# Altium PCB PCB1.PcbDoc (part 1 of 2)
Units mil, origin at the board's own origin, x right, y up, seen from the top; angles counter-clockwise.
Board outline 3140 x 3140 mil, 2 copper layers (Top Layer, Bottom Layer); 52 components, 59 nets, 367 pads, 222 vias.
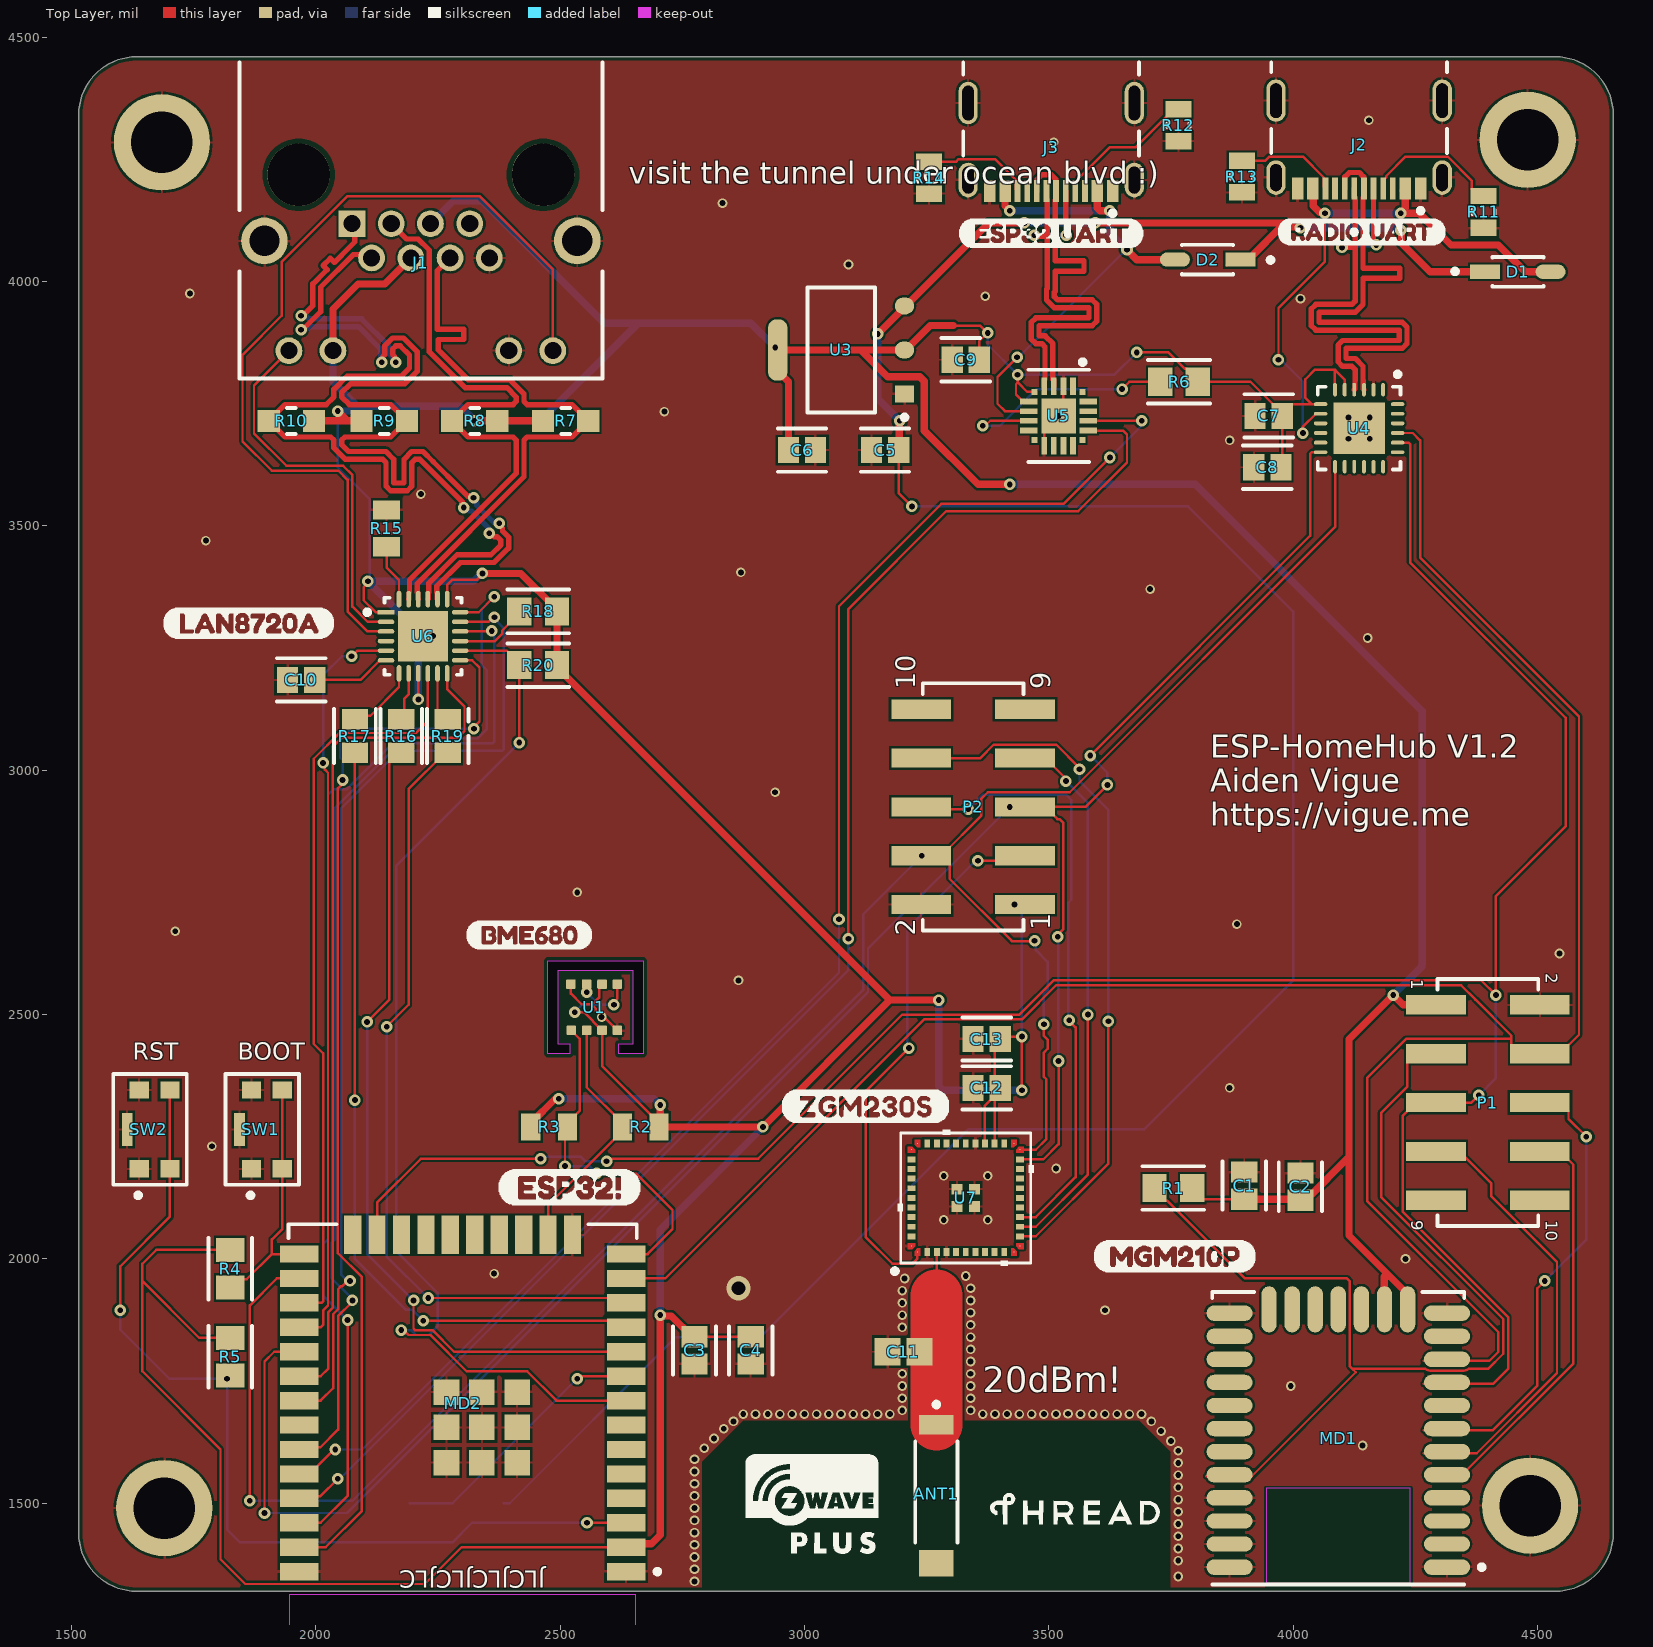
[diagram p0: Top Layer view]
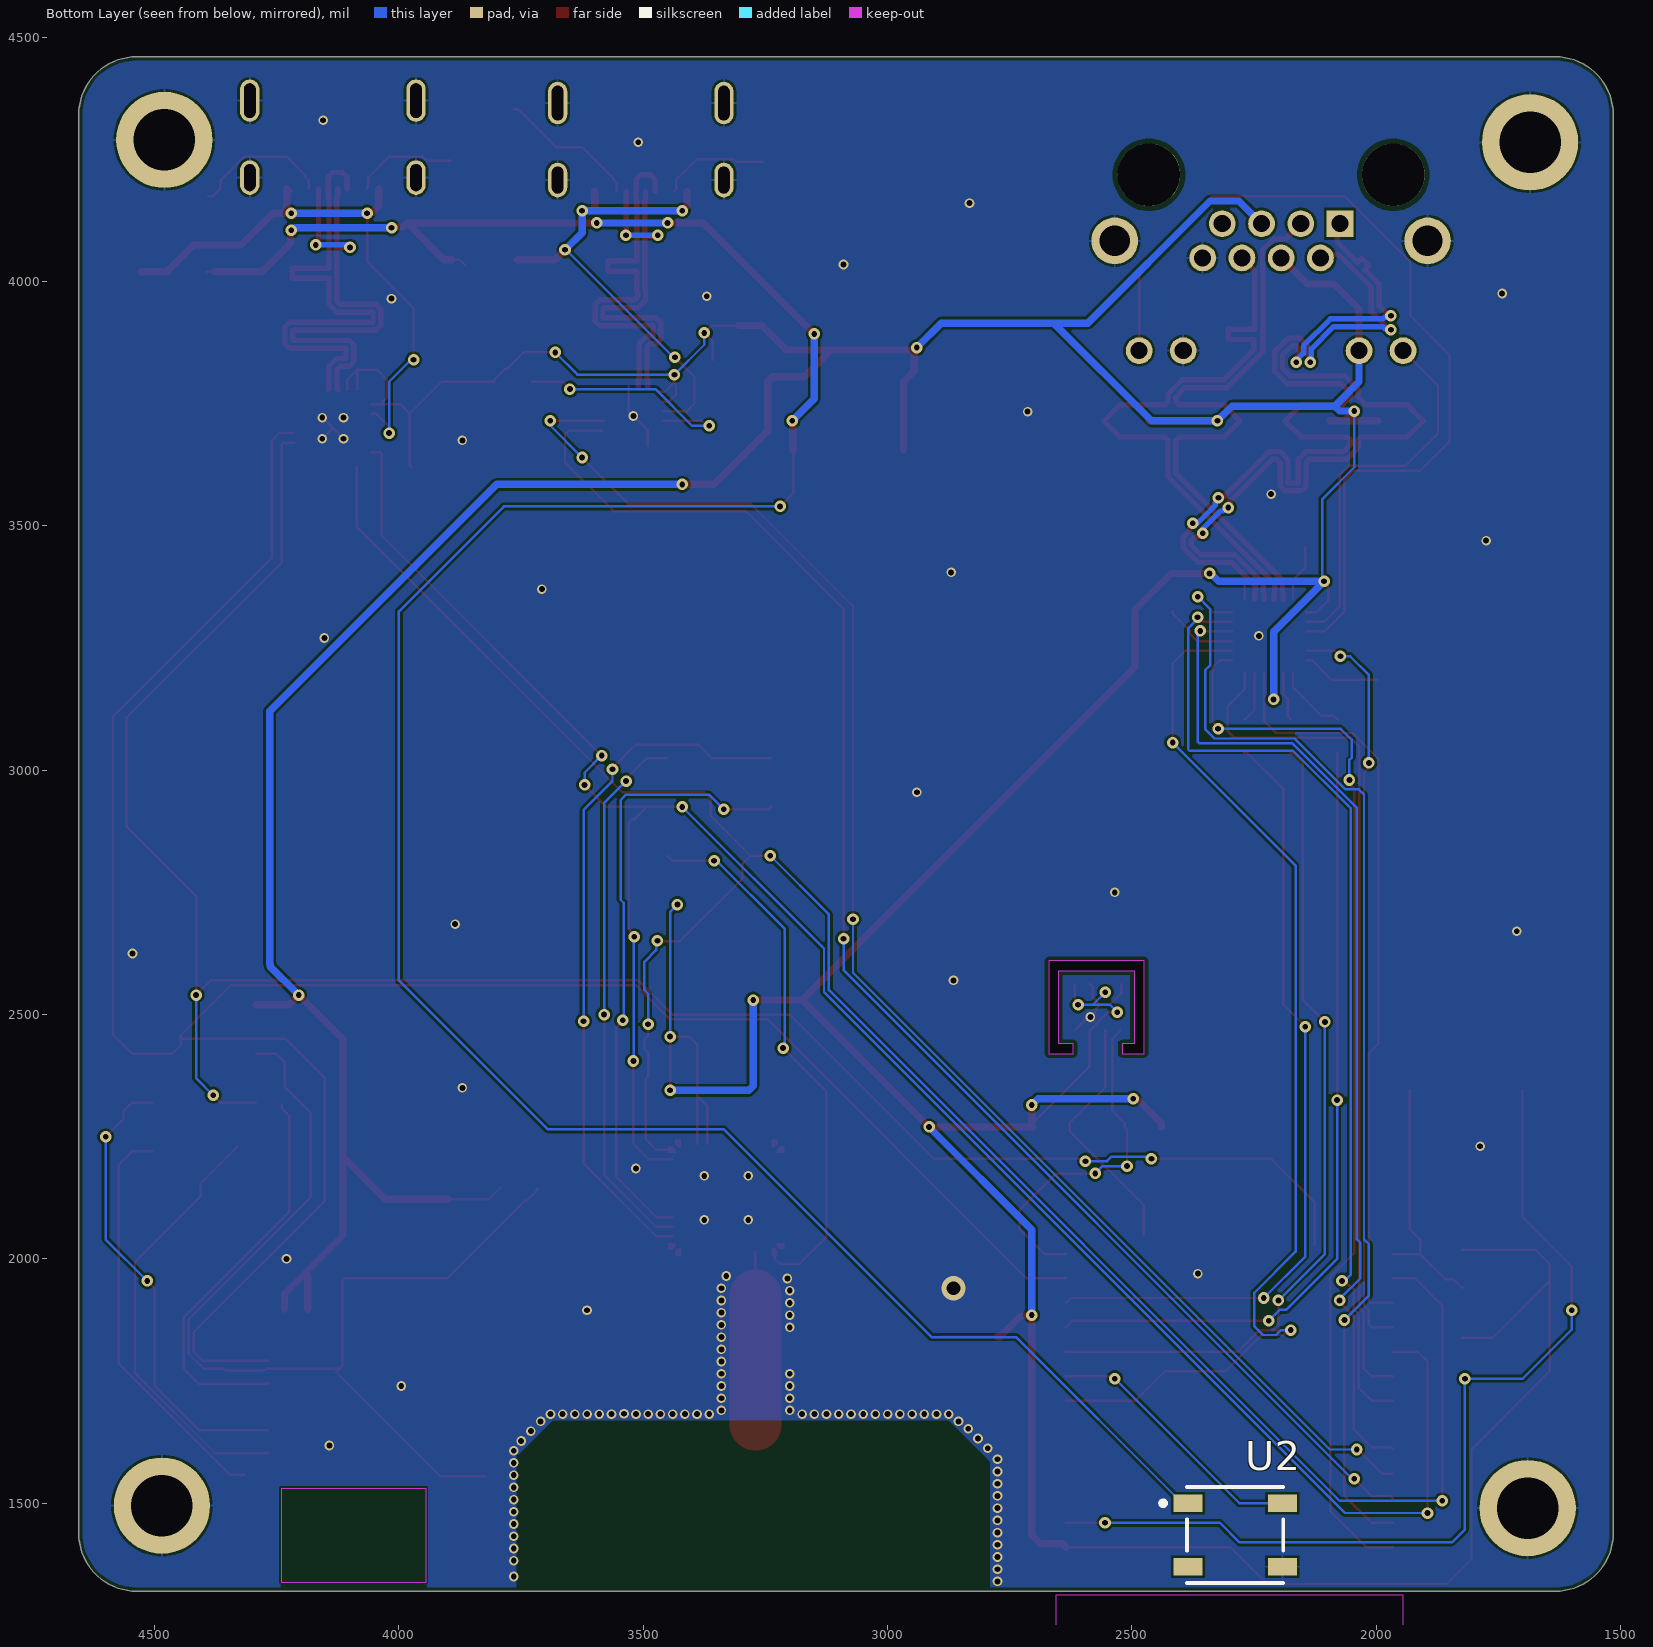
[diagram p1: Bottom Layer view, seen from below]
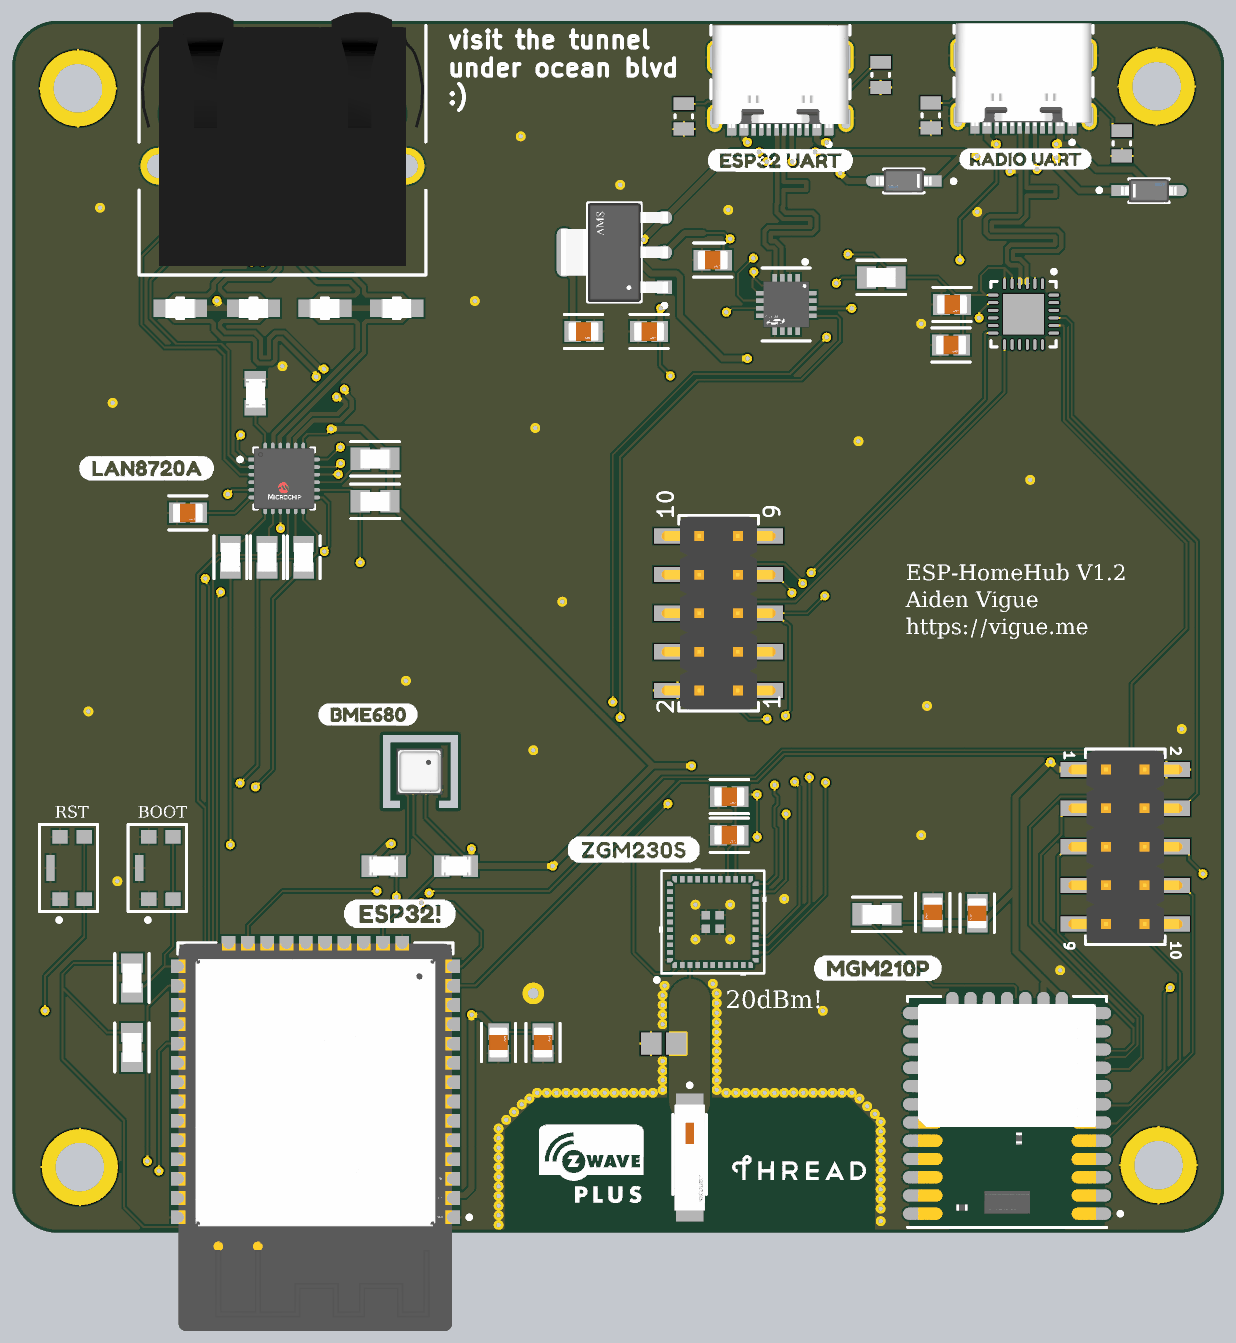
[diagram p3: 3D render of the assembled board from above, using the file's embedded part models]

## Layer stack, top to bottom
Top Solder: solder mask 0.4, Solder Resist, Dk 3.5
Top Layer: signal copper 1.4
Dielectric 1: dielectric 12.6, FR-4, Dk 4.8
Bottom Layer: signal copper 1.4
Bottom Solder: solder mask 0.4, Solder Resist, Dk 3.5

## Board outline
1515,1438.11 1515,4341.89 cw(c1633.11,4341.89) 1633.11,4460 4536.89,4460 cw(c4536.89,4341.89) 4655,4341.89 4655,1438.11 cw(c4536.89,1438.11) 4536.89,1320 1633.11,1320 cw(c1633.11,1438.11)
cut-out: 2520,2420 2475,2420 2475,2610 2670,2610 2670,2420 2620,2420 2620,2440 2650,2440 2650,2590 2495,2590 2495,2440 2520,2440

## Design rules (kind name [scope] priority, off if disabled: settings)
BoardOutlineClearance [All] p1: gap=7.87 ignorepadtopadclearanceinfootprint=FALSE
Clearance [All] p1: gap=5 ignorepadtopadclearanceinfootprint=FALSE except(9.84: Arc-Hole Track-Hole SMDPad-Hole THPad-Hole Via-Hole Fill-Hole Poly-Hole Region-Hole Text-Hole)
ComponentClearance [All] p1: gap=5 collisioncheckmode=3 verticalgap=5 showdistances=TRUE
DiffPairsRouting DiffPairsRouting_1 [All] p1: maxlimit=5 minlimit=5 mostfreqgap=5 toplayer_minwidth=10.97 toplayer_maxwidth=10.97 toplayer_prefwidth=10.97 bottomlayer_minwidth=10.97 bottomlayer_maxwidth=10.97 bottomlayer_prefwidth=10.97 impedanceprofiledriven=TRUE impedanceprofileid={640FD72F-D9A2-4354-A4A4-28BF40C9A0D2} impedanceprofilevalue=90.000000 maxuncoupledlength=500
Height [All] p1: minheight=0 maxheight=71497.94 prefheight=500
HoleSize [All] p1: absolutevalues=TRUE maxlimit=248.03 minlimit=11.81 maxpercent=80.000 minpercent=20.000
HoleToHoleClearance [All] p1: gap=9.84 allowstackedmicrovias=FALSE
MatchedLengths MatchedLengths_ERX [InDifferentialPair('ERX')] p1: tolerance=5 checknetsindiffpair=TRUE checkdiffpairvsdiffpair=FALSE checkxsignals=FALSE checkothers=FALSE
MatchedLengths MatchedLengths_USB1 [InDifferentialPair('USB_D')] p2: tolerance=5 checknetsindiffpair=TRUE checkdiffpairvsdiffpair=FALSE checkxsignals=FALSE checkothers=FALSE
MatchedLengths MatchedLengths_USB2 [InDifferentialPair('USBB_D')] p3: tolerance=5 checknetsindiffpair=TRUE checkdiffpairvsdiffpair=FALSE checkxsignals=FALSE checkothers=FALSE
MatchedLengths MatchedLengths_ETX [InDifferentialPair('ETX')] p4: tolerance=5 checknetsindiffpair=TRUE checkdiffpairvsdiffpair=FALSE checkxsignals=FALSE checkothers=FALSE
MinimumAnnularRing [All] p1: minimumring=3
MinimumSolderMaskSliver [All] p1: minsoldermaskwidth=0
PlaneClearance [All] p1: clearance=5
PlaneConnect PlaneConnectPowerPads [InPadClass('PowerPads')] p1: planeconnectstyle=Direct reliefexpansion=20 reliefentries=4 reliefconductorwidth=10 reliefairgap=10
PlaneConnect [All] p2: pad.planeconnectstyle=Relief pad.reliefexpansion=11.81 pad.reliefentries=4 pad.reliefconductorwidth=5 pad.reliefairgap=5 via.planeconnectstyle=Direct via.reliefexpansion=11.81 via.reliefentries=4 via.reliefconductorwidth=5 via.reliefairgap=5
PolygonConnect PolygonConnectPowerPads [All vs (InPadClass('PowerPads'))] p1: connectstyle=Direct reliefconductorwidth=10 reliefentries=4 polygonreliefangle="90 Angle" airgapwidth=10
PolygonConnect [All] p2: thpad.connectstyle=Relief thpad.reliefconductorwidth=5 thpad.reliefentries=4 thpad.polygonreliefangle="90 Angle" thpad.airgapwidth=5 smdpad.connectstyle=Relief smdpad.reliefconductorwidth=5 smdpad.reliefentries=4 smdpad.polygonreliefangle="90 Angle" smdpad.airgapwidth=5 via.connectstyle=Direct via.reliefconductorwidth=5 via.reliefentries=4 via.polygonreliefangle="90 Angle" via.airgapwidth=5
RoutingVias [All] p1: holewidth=11.81 width=23.62 viastyle="Through Hole" minholewidth=11.81 minwidth=23.62 maxholewidth=23.62 maxwidth=259.84
SilkToSilkClearance [All] p1: silktosilkclearance=0
SilkToSolderMaskClearance [IsPad] p1: minsilkscreentomaskgap=5 clearancetoexposedcopper=TRUE
SolderMaskExpansion [All] p1: expansion=2.95 istentingtop=FALSE
Width [All] p1: maxlimit=1000 minlimit=5 preferedwidth=5 minimp=50.000000 maximp=50.000000 favimp=50.000000
20 further rules are at their usual default settings.

## Classes and differential pairs
component class "ZW Radio": ANT1 C11 C12 C13 P2 U7
component class PHY: C10 R15 R16 R17 R18 R19 R20 U6
component class Connectors: D1 D2 J2 R7 R8 R9 R10 R11 R12 R13 R14
component class SerialConverter: C7 C8 C9 R6 U4 U5
component class ESP32: C3 C4 C5 C6 MD2 R2 R3 R4 R5 SW1 SW2 U1 U2 U3
component class "ZBT Radio": C1 C2 MD1 P1 R1
differential pair USBB_D: +USBB_D_P -USBB_D_N
differential pair USB_D: +USB_D_P -USB_D_N
differential pair ETX: +ETX_P -ETX_N
differential pair ERX: +ERX_P -ERX_N

## Components (designator, comment, footprint, x,y, rotation, side; value= is the part's Value field where it differs from the comment)
ANT1 "0900AT43A0070E" FP-0900AT43A0070E-MFG 3270,1515 r270 top
C1 "08055C104KAT2A" FP-0805-L_2_01_0_2-W_1_25-IPC_C 3900,2150 r270 top
C2 "08055C104KAT2A" FP-0805-L_2_01_0_2-W_1_25-IPC_C 4015,2147.79 r270 top
C3 "08055C104KAT2A" FP-0805-L_2_01_0_2-W_1_25-IPC_C 2775,1812.79 r90 top
C4 "08055C104KAT2A" FP-0805-L_2_01_0_2-W_1_25-IPC_C 2890,1812.79 r90 top
C5 "08055C104KAT2A" FP-0805-L_2_01_0_2-W_1_25-IPC_C 3165,3655 r0 top
C6 "08055C104KAT2A" FP-0805-L_2_01_0_2-W_1_25-IPC_C 2995,3655 r0 top
C7 "08055C104KAT2A" FP-0805-L_2_01_0_2-W_1_25-IPC_C 3950,3725 r0 top
C8 "08055C104KAT2A" FP-0805-L_2_01_0_2-W_1_25-IPC_C 3947.21,3620 r0 top
C9 "08055C104KAT2A" FP-0805-L_2_01_0_2-W_1_25-IPC_C 3330,3840 r0 top
C10 "08055C104KAT2A" FP-0805-L_2_01_0_2-W_1_25-IPC_C 1970,3185 r0 top
C11 "08055A2R2CAT2A" CAPC2013X94X50NL20T25 3202.48,1810 r0 top
C12 "08055C104KAT2A" FP-0805-L_2_01_0_2-W_1_25-IPC_C 3372.79,2350 r0 top
C13 "08055C104KAT2A" FP-0805-L_2_01_0_2-W_1_25-IPC_C 3372.79,2450 r0 top
D1 "1N5819HW-7-F" FP-SOD123-IPC_A 4460,4020 r0 top
D2 "1N5819HW-7-F" FP-SOD123-IPC_A 3825,4045 r180 top
J1 "2-406549-1" FP-2-406549-1-MFG 2215,4135 r180 top
J2 "217179-0001" FP-217179-0001-MFG 4135,4325 r180 top
J3 "217179-0001" FP-217179-0001-MFG 3505,4320 r180 top
MD1 "MGM210P022JIA2" FP-MGM210P022JIA2-MFG 4092.44,1633.07 r180 top
MD2 "ESP32-WROOM-32" FP-ESP32-WROOM-32-MFG 2300.35,1567.09 r180 top
P1 "61031021121" 61031021121 4398.7,2320 r270 top
P2 "61031021121" 61031021121 3345,2925 r90 top
R1 "CR0805-FX-1002ELF" FP-CR0805-IPC_A 3755,2145 r180 top
R2 "CRCW08054K70FKEA" FP-CRCW0805-e3-IPC_B 2665,2270 r0 top
R3 "CRCW08054K70FKEA" FP-CRCW0805-e3-IPC_B 2477.56,2270 r180 top
R4 "CR0805-FX-1002ELF" FP-CR0805-IPC_A 1825,1980 r90 top
R5 "CR0805-FX-1002ELF" FP-CR0805-IPC_A 1825,1800 r270 top
R6 "CR0805-FX-1002ELF" FP-CR0805-IPC_A 3766.54,3795 r0 top
R7 "CR0805-FX-49R9ELF" FP-CR0805-MFG 2511.26,3715 r180 top
R8 "CR0805-FX-49R9ELF" FP-CR0805-MFG 2325,3715 r0 top
R9 "CR0805-FX-49R9ELF" FP-CR0805-MFG 2140,3715 r180 top
R10 "CR0805-FX-49R9ELF" FP-CR0805-MFG 1950,3715 r0 top
R11 "CRCW08055K10JNEA" RESC2013X50X30LL20T20 4390,4142.52 r270 top
R12 "CRCW08055K10JNEA" RESC2013X50X30LL20T20 3765,4320 r270 top
R13 "CRCW08055K10JNEA" RESC2013X50X30LL20T20 3895,4215 r270 top
R14 "CRCW08055K10JNEA" RESC2013X50X30LL20T20 3255,4212.48 r270 top
R15 "CRCW080512K1FKEA" FP-CRCW0805-e3-IPC_B 2145,3495 r90 top
R16 "CR0805-FX-10R0ELF" FP-CR0805-IPC_B 2175,3070 r90 top
R17 "CR0805-FX-10R0ELF" FP-CR0805-IPC_B 2080,3070 r90 top
R18 "CR0805-FX-1002ELF" FP-CR0805-IPC_A 2455,3325 r0 top
R19 "CR0805-FX-10R0ELF" FP-CR0805-IPC_B 2270,3070 r90 top
R20 "CR0805-FX-1002ELF" FP-CR0805-IPC_A 2455,3215 r180 top
SW1 "KMR211GLFS" FP-KMR211GLFS-MFG 1900,2265 r90 top
SW2 "KMR211GLFS" FP-KMR211GLFS-MFG 1670,2265 r90 top
U1 "BME680" PSON80P300X300X100-8N 2570,2515 r270 top
U2 "1655" ADA-RGB-1655_V 2288.54,1435.04 r180 bottom
U3 "AMS1117-3.3" FP-AMS1117-IPC_C 3075,3860 r180 top
U4 "CP2105-F01-GM" SLAB-QFN-24-2675x2675TP_N 4135,3700 r270 top
U5 "CP2102N-A02-GQFN20R" FP-CP2102N-A02-GQFN20R-MFG 3520,3725 r270 top
U6 "LAN8720A-CP-ABC" FP-24-S4QFN-4x4B-0_5P-IPC_B 2219.53,3274.19 r0 top
U7 "ZGM230SB27HGN2R" QFN44_ZGM230S_SIL 3330,2125 r90 top

## Footprints (in the part's own frame and the unit in brackets; to place one, negate y for a bottom-side part, rotate by r counter-clockwise, add the part's x,y. Pads: shape width x height; smd on the part's side, far side on the other; paste and mask are expansions set on the pad)
61031021121 [mm] "Pin Header, pitch 2.54 mm, SMD, Vertical, dual row, 10p"
  rect 1x3.1 smd: 1(-5.08,-2.7) 2(-5.08,2.7) 3(-2.54,-2.7) 4(-2.54,2.7) 5(0,-2.7) 6(0,2.7) 7(2.54,-2.7) 8(2.54,2.7) 9(5.08,-2.7) 10(5.08,2.7)
  silkscreen extent -6.42,-2.62 6.42,2.62, body extent -6.35,-3.75 6.35,3.75, height 9.62
ADA-RGB-1655_V [mm] "SMD, 4-Leads, Body 5x5mm"
  rect 1.5x0.9 smd: 1(-2.45,1.65) 2(-2.45,-1.65) 3(2.45,-1.65) 4(2.45,1.65)
  silkscreen extent -3.88,-2.5 2.5,2.5, body extent -2.7,-2.5 2.7,2.5, height 1.68
CAPC2013X94X50NL20T25 [mm] "Chip Capacitor, 2-Leads, Body 2.01x1.25mm, IPC Medium Density"
  rect 1.35x1.45 smd: 1(-0.825,0) 2(0.825,0)
  body extent -1.1,-0.72 1.11,0.72, height 0.94
FP-2-406549-1-MFG [mm]
  rect 1.39x1.39 hole 0.89 paste-1000 mask+0: 1(3.58,0.42)
  round 1.39 hole 0.89 paste-1000 mask+0: 2(2.56,2.2) 3(1.54,0.42) 4(0.52,2.2) 5(-0.5,0.42) 6(-1.52,2.2) 7(-2.54,0.42) 8(-3.56,2.2) 9(-6.86,7.02) 10(-4.57,7.02) 11(4.57,7.02) 12(6.86,7.02)
  round 2.42 hole 1.57 paste-1000 mask+0: 13(-8.13,1.31) 14(8.13,1.31)
  round 3.25 hole 3.25 unplated paste-1000 mask+0: ""(-6.35,-2.12) ""(6.35,-2.12)
  silkscreen extent -9.43,-7.95 9.43,8.48, body extent -9.53,-8.57 9.53,8.57, height 0.25
FP-24-S4QFN-4x4B-0_5P-IPC_B [mm]
  rect 0.861x0.239 smd paste+0 mask+0: 1(-1.926,1.25)
  rrect100% 0.861x0.239 smd paste+0 mask+0: 2(-1.926,0.75) 3(-1.926,0.25) 4(-1.926,-0.25) 5(-1.926,-0.75) 6(-1.926,-1.25) 13(1.926,-1.25) 14(1.926,-0.75) 15(1.926,-0.25) 16(1.926,0.25) 17(1.926,0.75) 18(1.926,1.25)
  rrect100% 0.239x0.861 smd paste+0 mask+0: 7(-1.25,-1.926) 8(-0.75,-1.926) 9(-0.25,-1.926) 10(0.25,-1.926) 11(0.75,-1.926) 12(1.25,-1.926) 19(1.25,1.926) 20(0.75,1.926) 21(0.25,1.926) 22(-0.25,1.926) 23(-0.75,1.926) 24(-1.25,1.926)
  rect 2.6x2.6 smd paste-1000 mask+0: 25(0,0)
  silkscreen extent -3.03,-2 2,2, body extent -2.61,-2.61 2.61,2.61, height 0.25
FP-0805-L_2_01_0_2-W_1_25-IPC_C [mil]
  rect 43.49x53.39 smd paste+0 mask+0: 1(-27.79,0) 2(27.79,0)
  silkscreen extent -50,-44 50,44, body extent -53,-32 53,32, height 10
FP-0900AT43A0070E-MFG [mm]
  rect 1x1.8 smd paste+0 mask+0: 1(-3.7,0)
  rect 1.4x1.8 smd paste+0 mask+0: 2(3.5,0)
  silkscreen extent -4.87,-1.1 2.42,1.1, body extent -4.3,-1.2 4.3,1.2, height 0.25
FP-217179-0001-MFG [mm]
  rrect100% 1x1.8 hole 1.4 slot 0.6 at 0 deg paste-1000 mask+0: 1(-4.32,2.85) 2(4.32,2.85)
  rrect100% 1x2.2 hole 1.8 slot 0.6 at 0 deg paste-1000 mask+0: 3(-4.32,-1.15) 4(4.32,-1.15)
  rect 0.6x1.15 smd paste+0 mask+0: A1-B12(-3.2,3.425) A4-B9(-2.4,3.425) B1-A12(3.2,3.425) B4-A9(2.4,3.425)
  rect 0.3x1.15 smd paste+0 mask+0: A5(-1.25,3.425) A6(-0.25,3.425) A7(0.25,3.425) A8(1.25,3.425) B5(1.75,3.425) B6(0.75,3.425) B7(-0.75,3.425) B8(-1.75,3.425)
  silkscreen extent -4.57,-3.13 4.57,4.7, body extent -4.92,-3.45 4.92,4.1, height 0.25
FP-AMS1117-IPC_C [mm]
  rect 1.004x0.872 smd paste+0 mask+0: 1(-3.295,2.29)
  rrect100% 1.004x0.872 smd paste+0 mask+0: 2(-3.295,0) 3(-3.295,-2.29)
  rrect87% 1.004x3.182 smd paste+0 mask+0: 4(3.295,0)
  silkscreen extent -3.42,-3.25 1.75,3.62, body extent -3.9,-3.35 3.9,3.35, height 0.25
FP-CP2102N-A02-GQFN20R-MFG [mm]
  rect 0.3x0.3 smd paste+0 mask+0: 1(-1.25,1.25) 6(-1.25,-1.25) 11(1.25,-1.25) 16(1.25,1.25)
  rect 0.9x0.3 smd paste+0 mask+0: 2(-1.55,0.75) 3(-1.55,0.25) 4(-1.55,-0.25) 5(-1.55,-0.75) 12(1.55,-0.75) 13(1.55,-0.25) 14(1.55,0.25) 15(1.55,0.75)
  rect 0.3x0.9 smd paste+0 mask+0: 7(-0.75,-1.55) 8(-0.25,-1.55) 9(0.25,-1.55) 10(0.75,-1.55) 17(0.75,1.55) 18(0.25,1.55) 19(-0.25,1.55) 20(-0.75,1.55)
  rect 1.8x1.8 smd paste-1000 mask+0: 21(0,0)
  silkscreen extent -2.92,-1.57 2.4,1.58, body extent -2.1,-2.1 2.1,2.1, height 0.25
FP-CR0805-IPC_A [mil]
  rect 49.53x57.56 smd paste+0 mask+0: 1(-38.46,0) 2(38.46,0)
  silkscreen extent -63,-45 63,45, body extent -83,-48 83,48, height 10
FP-CR0805-IPC_B [mil]
  rect 41.66x53.63 smd paste+0 mask+0: 1(-34.53,0) 2(34.53,0)
  silkscreen extent -55,-43 55,43, body extent -65,-37 65,37, height 10
FP-CR0805-MFG [mm]
  rect 1.15x1.15 smd paste+0 mask+0: 1(-1.175,0) 2(1.175,0)
  silkscreen extent -0.22,-0.67 0.22,0.67, body extent -1.85,-0.77 1.85,0.77, height 0.25
FP-CRCW0805-e3-IPC_B [mil]
  rect 39.63x55.44 smd paste+0 mask+0: 1(-37.44,0) 2(37.44,0)
  body extent -67,-38 67,38, height 10
FP-ESP32-WROOM-32-MFG [mm]
  rect 2x0.9 smd paste+0 mask+0: 1(-8.5,5.26) 2(-8.5,3.99) 3(-8.5,2.72) 4(-8.5,1.45) 5(-8.5,0.18) 6(-8.5,-1.09) 7(-8.5,-2.36) 8(-8.5,-3.63) 9(-8.5,-4.9) 10(-8.5,-6.17) 11(-8.5,-7.44) 12(-8.5,-8.71) 13(-8.5,-9.98) 14(-8.5,-11.25) 25(8.5,-11.25) 26(8.5,-9.98) 27(8.5,-8.71) 28(8.5,-7.44) 29(8.5,-6.17) 30(8.5,-4.9) 31(8.5,-3.63) 32(8.5,-2.36) 33(8.5,-1.09) 34(8.5,0.18) 35(8.5,1.45) 36(8.5,2.72) 37(8.5,3.99) 38(8.5,5.26)
  rect 0.9x2 smd paste+0 mask+0: 15(-5.715,-12.25) 16(-4.445,-12.25) 17(-3.175,-12.25) 18(-1.905,-12.25) 19(-0.635,-12.25) 20(0.635,-12.25) 21(1.905,-12.25) 22(3.175,-12.25) 23(4.445,-12.25) 24(5.715,-12.25)
  rect 1.33x1.33 smd paste+0 mask+0: 39(-2.835,-0.405) 39(-2.835,-4.075) 39(-2.835,-2.24) 39(-1,-0.405) 39(-1,-2.24) 39(-1,-4.075) 39(0.835,-0.405) 39(0.835,-2.24) 39(0.835,-4.075)
  Keep-Out Layer region: -9,6.45 9,6.45 9,12.75 -9,12.75
  Keep-Out Layer region: -9,6.45 9,6.45 9,12.75 -9,12.75
  silkscreen extent -10.25,-12.8 9.05,5.38, body extent -9.6,-13.35 9.6,12.9, height 0.25
FP-KMR211GLFS-MFG [mm]
  rect 0.9x1 smd paste+0 mask+0: 1(-2.05,0.8) 2(2.05,0.8) 3(-2.05,-0.8) 4(2.05,-0.8)
  rect 1.7x0.55 smd paste+0 mask+0: 5(0,1.425)
  silkscreen extent -3.55,-1.68 2.88,2.15
FP-MGM210P022JIA2-MFG [mm]
  rrect100% 2.4x0.8 smd paste+0 mask+0: 1(-5.65,6.7) 2(-5.65,5.5) 3(-5.65,4.3) 4(-5.65,3.1) 5(-5.65,1.9) 6(-5.65,0.7) 7(-5.65,-0.5) 8(-5.65,-1.7) 9(-5.65,-2.9) 10(-5.65,-4.1) 11(-5.65,-5.3) 12(-5.65,-6.5) 20(5.65,-6.5) 21(5.65,-5.3) 22(5.65,-4.1) 23(5.65,-2.9) 24(5.65,-1.7) 25(5.65,-0.5) 26(5.65,0.7) 27(5.65,1.9) 28(5.65,3.1) 29(5.65,4.3) 30(5.65,5.5) 31(5.65,6.7)
  rrect100% 0.8x2.4 smd paste+0 mask+0: 13(-3.6,-6.7) 14(-2.4,-6.7) 15(-1.2,-6.7) 16(0,-6.7) 17(1.2,-6.7) 18(2.4,-6.7) 19(3.6,-6.7)
  Keep-Out Layer region: -3.75,2.6 3.75,2.6 3.75,7.5 -3.75,7.5
  Keep-Out Layer region: -3.75,2.6 3.75,2.6 3.75,7.5 -3.75,7.5
  silkscreen extent -7.58,-7.6 6.55,7.6, body extent -6.95,-8 6.95,7.7, height 0.25
FP-SOD123-IPC_A [mil]
  rect 61.32x29.23 smd paste+0 mask+0: 1(-66.94,0)
  rrect100% 61.32x29.23 smd paste+0 mask+0: 2(66.94,0)
  silkscreen extent -134,-31 52,31, body extent -117,-50 117,50, height 10
PSON80P300X300X100-8N [mm]
  rrect25% 0.5x0.5 smd: 1(1.2,1.2) 2(1.2,0.4) 3(1.2,-0.4) 4(1.2,-1.2) 5(-1.2,-1.22) 6(-1.2,-0.4) 7(-1.2,0.4) 8(-1.2,1.2)
  body extent -1.5,-1.5 1.5,1.5, height 1
QFN44_ZGM230S_SIL [mil]
  round 1 smd paste+0 mask+0: 1(-111,98.76) 11(-111,-98.76) 12(-98.76,-111) 22(98.76,-111) 23(111,-98.76) 33(111,98.76) 34(98.76,111) 44(-98.76,111)
  rect 16x12 smd paste+0 mask+0: 2(-111,78.76) 3(-111,59.07) 4(-111,39.38) 5(-111,19.69) 6(-111,0) 7(-111,-19.69) 8(-111,-39.38) 9(-111,-59.07) 10(-111,-78.76) 24(111,-78.76) 25(111,-59.07) 26(111,-39.38) 27(111,-19.69) 28(111,0) 29(111,19.69) 30(111,39.38) 31(111,59.07) 32(111,78.76)
  rect 12x16 smd paste+0 mask+0: 13(-78.76,-111) 14(-59.07,-111) 15(-39.38,-111) 16(-19.69,-111) 17(0,-111) 18(19.69,-111) 19(39.38,-111) 20(59.07,-111) 21(78.76,-111) 35(78.76,111) 36(59.07,111) 37(39.38,111) 38(19.69,111) 39(0,111) 40(-19.69,111) 41(-39.38,111) 42(-59.07,111) 43(-78.76,111)
  rect 22x22 smd paste+0 mask+0: 45(17.72,17.72) 46(17.72,-17.72) 47(-17.72,-17.72) 48(-17.72,17.72)
  Top Layer region: -119,92.76 -119,104.76 -109,104.76 -103,98.76 -103,92.76
  Top Layer region: -104.76,119 -92.76,119 -92.76,103 -98.76,103 -104.76,109
  Top Layer region: 92.76,119 104.76,119 104.76,109 98.76,103 92.76,103
  Top Layer region: 119,104.76 119,92.76 103,92.76 103,98.76 109,104.76
  Top Layer region: 119,-92.76 119,-104.76 109,-104.76 103,-98.76 103,-92.76
  Top Layer region: 104.76,-119 92.76,-119 92.76,-103 98.76,-103 104.76,-109
  Top Layer region: -92.76,-119 -104.76,-119 -104.76,-109 -98.76,-103 -92.76,-103
  Top Layer region: -119,-104.76 -119,-92.76 -103,-92.76 -103,-98.76 -109,-104.76
  silkscreen extent -155,-139 139,150, body extent -120,-120 120,120, height 47
RESC2013X50X30LL20T20 [mm] "Chip Resistor, 2-Leads, Body 2.00x1.25mm, IPC High Density"
  rect 0.85x1.35 smd: 1(-0.825,0) 2(0.825,0)
  silkscreen extent -0.1,-0.58 0.1,0.58, body extent -1.1,-0.72 1.1,0.72, height 0.5
SLAB-QFN-24-2675x2675TP_N [mm] "QFN, 24-Leads, Body 4x4mm, Pitch 0.5mm, Thermal Pad 2.68x2.68mm, IPC Medium Density"
  oval 0.7x0.2 smd: 1(-2,1.25) 2(-2,0.75) 3(-2,0.25) 4(-2,-0.25) 5(-2,-0.75) 6(-2,-1.25) 13(2,-1.25) 14(2,-0.75) 15(2,-0.25) 16(2,0.25) 17(2,0.75) 18(2,1.25)
  oval 0.2x0.7 smd: 7(-1.25,-2) 8(-0.75,-2) 9(-0.25,-2) 10(0.25,-2) 11(0.75,-2) 12(1.25,-2) 19(1.25,2) 20(0.75,2) 21(0.25,2) 22(-0.25,2) 23(-0.75,2) 24(-1.25,2)
  rect 2.68x2.68 smd: 25(0,0)
  silkscreen extent -2.92,-2.15 2.15,2.15, body extent -2,-2 2,2, height 0.8

## Part data
ANT1: library part CMP-56579-000002-1, "RF ANT CHIP SOLDER SMD", Max Frequency=928MHz, Contact Plating=Tin, Impedance=50R, Mount="Surface Mount", Number of Pins=2, RoHS Compliant=No
C1 C2 C3 C4 C5 C6 C7 C8 C9 C10 C12 C13: library part CMP-2000-05016-2, "General Purpose Ceramic Capacitor, 0805, 100nF, 10%, X7R, 0.15, 50V", Capacitance=100nF, Case Code (Imperial)=0805, Case Code (Metric)=2012, Dielectric=X7R, Dielectric Material=Ceramic, Insulation Resistance=100GR, Max Operating Temperature=125°C, Min Operating Temperature=-55°C, Package Quantity=4000, Tolerance=10%, Voltage=50V, Case/Package=0805, Depth=1.25mm, Dissipation Factor=2.5%, Height=0.5mm, Lead Free="Lead Free", Length=2mm, Mount="Surface Mount", Number of Pins=2, Packaging="Cut Tape", Radiation Hardening=No, REACH SVHC="No SVHC", RoHS Compliant=Yes, Series="MLCC X7R", Termination=Standard, Thickness=0.037inch, Voltage Rating=50V, Voltage Rating (DC)=50V, Weight=0.001411oz, Width=1.2mm
C11: library part CMP-1036-00283-2, Manufacturer="AVX Interconnect / Elco", Part Number=08055A2R2CAT2A
D1 D2: library part CMP-0303-00003-3, "DIODE SCHOTTKY 40V 1A SOD123", Average Rectified Current=1A, Capacitance=110pF, Case/Package=SOD-123-2, Forward Voltage=450mV, Max Forward Surge Current (Ifsm)=25A, Max Operating Temperature=125°C, Max Power Dissipation=450mW, Max Repetitive Reverse Voltage (Vrrm)=40V, Min Operating Temperature=-65°C, Package Quantity=3000, Peak Reverse Current=50uA, Contact Plating=Tin, Current Rating=1A, Element Configuration=Single, Forward Current=1A, Height=1.25mm, Lead Free="Lead Free", Length=2.85mm, Max Reverse Voltage (DC)=40V, Number of Pins=2, Output Current=1A, Packaging="Tape and Reel", Peak Non-Repetitive Surge Current=25A, Polarity=Standard, Radiation Hardening=No, REACH SVHC="No SVHC", Termination=SMD/SMT, Voltage Rating (DC)=40V, Weight=0.000353oz, Width=1.7mm
J1: library part CMP-2000-05541-2, "CONN MOD JACK 8P8C R/A SHIELDED", Color=Yellow, Current Rating=1.5A, Flammability Rating="UL94 V-0", Housing Color=Black, Max Operating Temperature=85°C, Max Voltage Rating (AC)=150V, Min Operating Temperature=-40°C, Package Quantity=63, Approvals=UL, Connector Type=Jack, Contact Material=Bronze, Contact Plating=Gold, Depth=15.75mm, Direction=Up, Element Configuration=Single, Gender=Female, Housing Material=Thermoplastic, Keyed=No, Length=17.86mm, Mount=Panel, Number of Contacts=8, Number of Ports=1, Number of Positions=8, Number of Positions Loaded=8, Number of Rows=1, Orientation="Right Angle", Packaging=Tray, PCB Mounting Orientation="Right Angle", PCB Thickness=1.57mm, Pitch=2.03mm, Radiation Hardening=No, RoHS Compliant=Yes, Series=-, Shielding=Shielded, Tail Length=2.54mm, Termination=Solder, Voltage Rating=150V, Weight=0.144729oz, Width=17.27mm
J2 J3: library part CMP-04767-000028-1, "CONN RCP USB2.0 TYP C 24P SMD RA"
MD1: library part CMP-08140-000019-1, "RX TXRX MOD BLUETOOTH CHIP SMD"
MD2: library part CMP-194065-000008-1, "RX TXRX MOD WIFI SURFACE MOUNT", Case/Package=SMD/SMT, Frequency=2.5GHz, Max Operating Temperature=85°C, Min Operating Temperature=-40°C, Operating Supply Voltage=3.6V, Package Quantity=550, Data Rate=150Mbps, Mount="Surface Mount", Packaging="Cut Tape", Sensitivity=-98dBm, Weight=0.088185oz
P1 P2: library part CMP-1502-01053-1, "SMT Vertical Pin Header WR-PHD, Pitch 2.54 mm, Dual Row, 10 pins", Contact Resistance=20mOhm, Manufacturer="Wurth Elektronik", Operating Temperature=-40to125degC, Rated Current=3A, Withstanding Voltage=500VAC, Working Voltage=250VAC, Datasheet URL=https://katalog.we-online.de/em/datasheet/6103xx21121.pdf, Gender=Male, Manufacturer URL=http://www.we-online.de, Mounting Technology=SMT, Orientation=Vertical, Package Reference=61031021121, Packaging=TapeandReel, Part Number=61031021121, Pin Number=10, Pitch=2.54mm, Publisher=WurthElektronik, Row Number=Dual
R1 R4 R5 R6 R18 R20: library part CMP-07231-003204-1, "Thick Film Chip Resistors 0805 10kΩ 0.125W 1% 100ppm/°C", Case Code (Imperial)=0805, Case Code (Metric)=2012, Max Operating Temperature=155°C, Max Power Dissipation=125mW, Min Operating Temperature=-55°C, Package Quantity=1, Resistance=10kR, Temperature Coefficient=100ppm/°C, Tolerance=1%, Voltage Rating=150V, Voltage Rating (DC)=100V, Case/Package=0805, Composition="Thick Film", Contact Plating=Tin, Depth=1.25mm, Features="Moisture Resistant", Height=0.5mm, Length=2mm, Mount="Surface Mount", Number of Terminations=2, Packaging="Tape and Reel", Power Rating=125mW, Radiation Hardening=No, REACH SVHC="No SVHC", Termination=SMD/SMT, Thickness=508um, Width=1.25mm
R2 R3: library part CMP-2100-03615-2, "RES Thick Film, 4.7kΩ, 1%, 0.125W, 100ppm/°C, 0805", Case Code (Imperial)=0805, Case Code (Metric)=2012, Max Operating Temperature=155°C, Max Power Dissipation=125mW, Min Operating Temperature=-55°C, Package Quantity=10, Resistance=4.7kR, Temperature Coefficient=100ppm/°C, Tolerance=1%, Voltage Rating=150V, Case/Package=0805, Composition="Thick Film", Contact Plating=Tin, Depth=1.25mm, Features="Automotive AEC-Q200", Height=0.45mm, Lead Free="Lead Free", Length=2mm, Military Standard=Not, Number of Terminations=2, Packaging="Tape and Reel", Power Rating=125mW, Radiation Hardening=No, Termination=SMD/SMT, Voltage Rating (DC)=150V, Weight=0.000194oz, Width=1.25mm
R7 R8 R9 R10: library part CMP-07231-001472-1, "Thick Film Chip Resistors 0805 49.9Ω 0.125W 1% 100ppm/°C", Case Code (Imperial)=0805, Case Code (Metric)=2012, Max Operating Temperature=155°C, Min Operating Temperature=-55°C, Package Quantity=5000, Power Rating=125mW, Resistance=49.9R, Temperature Coefficient=100ppm/°C, Tolerance=1%, Voltage Rating=150V, Case/Package=0805, Composition="Thick Film", Contact Plating=Tin, Depth=1.25mm, Height=0.5mm, Length=2mm, Military Standard=Not, Mount="Surface Mount", Number of Pins=2, Packaging="Tape and Reel", Radiation Hardening=No, REACH SVHC="No SVHC", Termination=SMD/SMT, Thickness=508um, Voltage Rating (DC)=150V, Width=1.25mm
R11 R12 R13 R14: library part CMP-2001-04025-1, Manufacturer="Vishay Dale", Part Number=CRCW08055K10JNEA
R15: library part CMP-2001-04935-2, "RES Thick Film, 12.1kΩ, 1%, 0.125W, 100ppm/°C, 0805", Case Code (Imperial)=0805, Case Code (Metric)=2012, Max Operating Temperature=155°C, Max Power Dissipation=125mW, Min Operating Temperature=-55°C, Package Quantity=10, Resistance=12.1kR, Temperature Coefficient=100ppm/°C, Tolerance=1%, Voltage Rating=150V, Case/Package=0805, Composition="Thick Film", Contact Plating=Tin, Depth=1.25mm, Features="Automotive AEC-Q200", Height=0.45mm, Lead Free="Lead Free", Length=2mm, Military Standard=Not, Number of Terminations=2, Packaging="Tape and Reel", Power Rating=125mW, Radiation Hardening=No, Termination=SMD/SMT, Voltage Rating (DC)=150V, Weight=0.000194oz, Width=0.049inch
R16 R17 R19: library part CMP-07231-004657-1, "Thick Film Chip Resistors 0805 10Ω 0.125W 1% 100ppm/°C", Case Code (Imperial)=0805, Case Code (Metric)=2012, Max Operating Temperature=155°C, Min Operating Temperature=-55°C, Package Quantity=5000, Power Rating=125mW, Resistance=10R, Temperature Coefficient=100ppm/°C, Tolerance=1%, Voltage Rating=150V, Case/Package=0805, Composition="Thick Film", Contact Plating=Tin, Depth=1.25mm, Height=0.5mm, Length=2mm, Military Standard=Not, Mount="Surface Mount", Number of Pins=2, Packaging="Tape and Reel", Radiation Hardening=No, REACH SVHC="No SVHC", Termination=SMD/SMT, Thickness=508um, Voltage Rating (DC)=150V, Width=1.25mm
SW1 SW2: library part CMP-10040-000023-1, "SWITCH TACTILE SPST-NO 0.05A 32V", Contact Current Rating=50mA, Max Operating Temperature=85°C, Max Voltage Rating (DC)=32V, Min Operating Temperature=-40°C, Operating Force=1.2N, Package Quantity=1, Power Rating=1W, Actuator Length=0.5mm, Actuator Type=Standard, Contact Material=Silver, Contact Plating=Silver, Current Rating=50mA, Depth=4.6mm, Illumination Type=Non-Illuminated, Lead Free="Lead Free", Length=2.8mm, Max Current Rating=50mA, Mechanical Life=200000Cycles, Mount="Surface Mount", Orientation=Straight, Packaging="Tape and Reel", Radiation Hardening=No, REACH SVHC="No SVHC", Switch Function=Off-Mom, Switch Travel=0.2mm, Termination="Gull Wing", Throw Configuration=SPST, Voltage Rating (DC)=32V, Width=2.8mm
U1: "Integrated Environmental Unit", Package=None, Availability=Unavailable, MF="{'manufacturer': u'Bosch Sensortec'}", MP=BME680, Price=None
U2: library part CMP-2000-05026-1, "Intelligent Control LED Integrated Light Source, 3.5 to 5.3 V, -25 to 80 degC, 4-Pin SMD, RoHS, Tape and Reel", Color=Red,Green,Blue(RGB), Manufacturer=Adafruit-Industries-LLC, Package Description="4-Pin Surface Mount Device, Body 5 x 5 mm", Category=Optoelectronics, Configuration=Discrete, Controller Type=-, Datasheet URL=http://datasheet.octopart.com/ADA1655-Adafruit-Industries-datasheet-32028139.pdf, Datasheet Version=May-13, Family=Addressable,Specialty, Interface=-, Manufacturer URL=https://www.adafruit.com/, Mounting Type=SurfaceMount, Number of LEDs=10, Package Reference=1655, Series=Neopixel, Size / Dimension=5.00mmLx5.00mmW, Utilized LED=WS2812(5050)
U3: library part CMP-209535-000001-1, "LDO Voltage Regulators 1A, 3.3V", Dropout Voltage=1.1V, Manufacturer="Advanced Monolithic Systems", Max Junction Temp=+125°C, Max Power Dissipation=1.2W, Max Supply Voltage=15V, Nominal Supply Current=5mA, Output Current=1A, Output Voltage=3.3V, Package=AMS1117, Temperature="-40°C to +125°C", Temperature Range Low=-40°C, Automotive=No, Category=IC, ComponentLink2Description=Datasheet, ComponentLink2URL=http://www.advanced-monolithic.com/pdf/ds1117.pdf, Device Class L1="Integrated Circuits (ICs)", Device Class L2="Power Management ICs", Device Class L3="Voltage Regulators - Linear", Height=1.8mm, Ipc Land Pattern Name=SOT229P700X180-4, Lead Free=Yes, Manufacturer Part Number=AMS1117-3.3, Number Of Outputs=1, Octopart=https://octopart.com/ams1117-3.3-advanced+monolithic+systems-25899300, Output Type=Fixed, RoHS=TRUE, Standoff Height=0.64mm, Temperature Range High=+125°C
U4: library part CMP-0511-00003-1, "Single-Chip USB to Dual UART Bridge, 5 Dig I/O Pins, Internal Oscillator, 296 Bytes EEPROM, -40 to 85 degC, 24-pin QFN", Manufacturer="Silicon Labs", Code_IPC=J-STD-020, Code_JEDEC=MO-220, ComponentLink1Description="Manufacturer URL", ComponentLink1URL=http://www.silabs.com/, ComponentLink2Description=Datasheet, ComponentLink2URL=http://www.silabs.com/Support%20Documents/TechnicalDocs/CP2105.pdf, ComponentLink3Description="Package Specification", ComponentLink3URL=http://www.silabs.com/Support%20Documents/TechnicalDocs/C8051F93x-92x.pdf, DatasheetVersion="Rev. 1.0", EEPROM="296 Bytes", Internal Oscillator=TRUE, Mounting Technology="Surface Mount", PackageDescription="24-Pin Quad-Flat No-Leads Package, Body 4 x 4 mm, Pitch 0.5 mm", PackageReference=QFN-24, PartNumber=CP2105-F01-GM, Sub-Family="USB Bridges"
U5: library part CMP-08107-000007-1, "IC USB TO UART BRIDGE QFN20"
U6: library part CMP-06281-000057-1, "IC TRANSCEIVER FULL 2/2 24SQFN"
U7: library part CMP-009-000001-5, "No Description Available", Mfr_Name="Silicon Labs", Design Item ID=ZGM230SB27HGN2R, RefDes=RefDes, Source=ZGM230SB27HGN2R.SchLib, Type=Interface

## Free pads (board coordinates)
  round 196.85 hole 125.98: 1(1685,4285) 1(1690,1490) 1(4480,4290) 1(4485,1495)

## Via types
v1: diameter 19.68, hole 12, Top Layer to Bottom Layer, 116 vias
v2: diameter 23.62, hole 11.81, Top Layer to Bottom Layer, 105 vias
v3: diameter 50, hole 28, Top Layer to Bottom Layer, 1 vias

## Nets (pads, with @x,y where several pads share a name; then routed paths per layer and width w, separated by ;. In a path a pad name is that pad's centre, name@x,y a point inside that pad or via, vN(x,y) a via of type N, cw(c..) or ccw(c..) an arc to the next point about the centre after c; other vN are vias at no path point)
2102_VB: D2.2 J3.A4-B9 J3.B4-A9 U5.8 | length 1010.3
  Top Layer w5: v2(3435,3845) 3395,3805 3395,3750 3410.16,3734.84 U5.8@3458.98,3734.84
  Top Layer w15: J3.B4-A9@3410.51,4185.16 3410.51,4154.49 v2(3420,4145) ; J3.A4-B9@3599.49,4185.16 3599.49,4150.51 3605,4145 v2(3625,4145) ; v2(3660,4065) 3680,4045 D2.2@3758.06,4045
  Bottom Layer w5: v2(3435,3845) 3437.5,3845 3657.5,4065 v2(3660,4065)
  Bottom Layer w15: v2(3420,4145) v2(3625,4145) 3625,4100 v2(3660,4065)
2105_VB: D1.2 J2.A4-B9 J2.B4-A9 U4.8 | length 1185
  Top Layer w5: v2(3970,3840) 3970,3945.94 4065,4040.94 v2(4065,4140) ; v2(4020,3690) 4020,3703.11 4046.42,3729.53 U4.8@4056.26,3729.53
  Top Layer w15: J2.B4-A9@4040.51,4190.16 4041.13,4189.54 4041.13,4154.51 v2@4053.98,4141.65 ; v2(4220,4140) 4220.06,4139.94 4258.21,4139.94 4323.21,4074.94 4420.06,4074.94 4475.06,4019.94 D1.2@4526.89,4019.94 ; J2.A4-B9@4225.18,4185.85 J2.A4-B9@4229.49,4190.16 4229.49,4150.51
  Bottom Layer w5: v2(3970,3840) 3970.43,3840.43 3974.57,3840.43 4020,3795 v2(4020,3690)
  Bottom Layer w15: v2@4065.06,4139.94 v2@4219.94,4139.94
BOOT0: MD2.25 R4.1 SW1.3 SW1.4 | length 517.7
  Top Layer w5: R4.1@1820.98,1941.54 R4.1@1825,1941.54 1841.82,1958.35 1858.35,1958.35 1910,2010 ; SW1.4@1931.5,2345.71 SW1.3@1931.5,2184.29 1931.5,2061.5 1910,2040 1910,2010 ; MD2.25@1965.71,2010 1910,2010
ERX_N: J1.6 R7.1 U6.22 | length 1245.9
  Top Layer w10.97: U6.22@2209.69,3350 2208.91,3350.78 2208.91,3363.02 2207.83,3364.1 2207.83,3382.28 2426.12,3600.57 2426.12,3675.45 2432.54,3681.88 2524.4,3681.88 R7.1@2557.52,3715 2524.4,3748.12 2432.54,3748.12 2426.12,3754.55 2426.12,3770.26 2397.53,3798.84 2312.13,3798.84 2255.97,3855 2250.49,3860.49 2250.49,3881.46 2302.45,3881.46 2302.45,3902.43 2248.35,3902.43 2248.35,3955 2248.35,4022 2274.74,4048.39 J1.6@2274.84,4048.39
ERX_P: J1.3 R8.1 U6.23 | length 1245.9
  Top Layer w10.97: J1.3@2154.37,4118.46 2185.76,4087.08 2209.36,4087.08 2232.38,4064.06 2232.38,3856.01 2305.52,3782.87 2390.92,3782.87 2410.14,3763.64 2410.14,3754.55 2403.72,3748.12 2311.86,3748.12 R8.1@2278.74,3715 2311.86,3681.88 2403.72,3681.88 2410.14,3675.45 2410.14,3607.18 2191.86,3388.89 2191.86,3364.1 2190.78,3363.02 2190.78,3350.78 U6.23@2190,3350
ESP_EN: MD2.3 R5.2 SW2.3 SW2.4 | length 1954.4
  Top Layer w5: v2(1600,1895) 1600,1985 1701.5,2086.5 SW2.3@1701.5,2184.29 SW2.4@1701.5,2345.71 ; v2(1818.46,1755) R5.2@1825,1761.54 ; v2(2555,1460) MD2.3@2635,1460
  Bottom Layer w5: v2(1600,1895) 1600,1855 1700,1755 v2(1818.46,1755) 1818.46,1446.54 1845,1420 2280,1420 2320,1460 v2(2555,1460)
ESP_RX: MD2.34 U5.18 | length 3171.9
  Top Layer w5: MD2.34@1965.71,1560 1987.36,1560 2037.36,1610 v2(2040,1610) ; v2(3070.69,2695) 3070.69,3335.69 3280,3545 3530,3545 v2(3625,3640) ; U5.18@3580.23,3715 v2(3690,3715)
  Bottom Layer w5: v2(2040,1610) 2095,1610 3070.69,2585.69 v2(3070.69,2695) ; v2(3625,3640) 3690,3705 v2(3690,3715)
ESP_TX: MD2.35 U5.17 | length 3141
  Top Layer w5: MD2.35@1965.71,1510 1970.36,1514.65 2009.65,1514.65 v2(2045,1550) ; v2(3090,2655) 3090,3330 3290,3530 3560,3530 3660,3630 3660,3687.07 3652.07,3695 U5.17@3584.73,3695
  Bottom Layer w5: v2(2045,1550) 2049.14,1550 3090,2590.86 v2(3090,2655)
ETH_CLK: MD2.28 U6.5 | length 1538.9
  Top Layer w5: MD2.28@1965.71,1860 2010,1860 2015,1865 2015,1894.74 2025,1904.74 2025,2995 2018.56,3001.44 2018.56,3011.44 v2(2015,3015) ; v2(2073.19,3233.34) 2073.72,3233.34 2085.04,3244.66 U6.5@2143.72,3244.66
  Bottom Layer w5: v2(2015,3015) 2015,3195 2053.34,3233.34 v2(2073.19,3233.34)
ETH_CRS_DV: MD2.12 R19.1 | length 1615.1
  Top Layer w5: v2(2145,2475) 2190,2520 2190,2961.46 2264.02,3035.47 R19.1@2270,3035.47 ; v2(2230,1920) 2625,1920 MD2.12@2635,1910
  Bottom Layer w5: v2(2145,2475) 2145,2005 v2(2230,1920)
ETH_MDC: MD2.37 U6.13 | length 2222.3
  Top Layer w5: MD2.37@1965.71,1410 2020,1410 2094.31,1484.31 2094.31,1962.72 2045,2012.03 2045,2962.76 2051.26,2969.02 2051.26,2976.44 v2(2054.82,2980) ; U6.13@2295.34,3224.98 2320.02,3224.98 2335,3210 2335,3100 2323.62,3088.62 v2(2323.62,3085)
  Bottom Layer w5: v2(2054.82,2980) 2054.82,3021.15 2050,3025.96 2050,3062.07 2072.93,3085 v2(2323.62,3085)
ETH_MDIO: MD2.30 U6.12 | length 1758.4
  Top Layer w5: MD2.30@1965.71,1760 2010,1760 2025.69,1775.69 2025.69,1891.28 2035,1900.59 2035,3048.72 2052.48,3066.2 2289.92,3066.2 2304.31,3080.59 2304.31,3130.69 2268.74,3166.26 U6.12@2268.74,3198.38
ETH_RXD0: MD2.10 R16.1 | length 1704.7
  Top Layer w5: v2(2105,2485) 2150.69,2530.69 2150.69,3017.14 2169.02,3035.47 R16.1@2175,3035.47 ; v2(2200,1915) 2200,1857.24 2202.93,1854.31 2238.59,1854.31 2282.9,1810 MD2.10@2635,1810
  Bottom Layer w5: v2(2105,2485) 2105,2010 v2(2200,1915)
ETH_RXD1: MD2.11 R17.1 | length 1648.5
  Top Layer w5: v2(2080,2325) R17.1@2080,3035.47 ; v2(2220,1873.62) 2621.38,1873.62 MD2.11@2635,1860
  Bottom Layer w5: v2(2080,2325) 2080,2000 2184.31,1895.69 2197.93,1895.69 v2(2220,1873.62)